# Altium PCB GridSeed.PcbDoc (part 2 of 4)
Units mm, origin at the board's own origin, x right, y up, seen from the top; angles counter-clockwise.
Board outline 91 x 132.25 mm, 4 copper layers (Top Layer, Mid-Top Layer, Mid-Bottom Layer, Bottom Layer); 396 components, 143 nets, 1833 pads, 2320 vias.
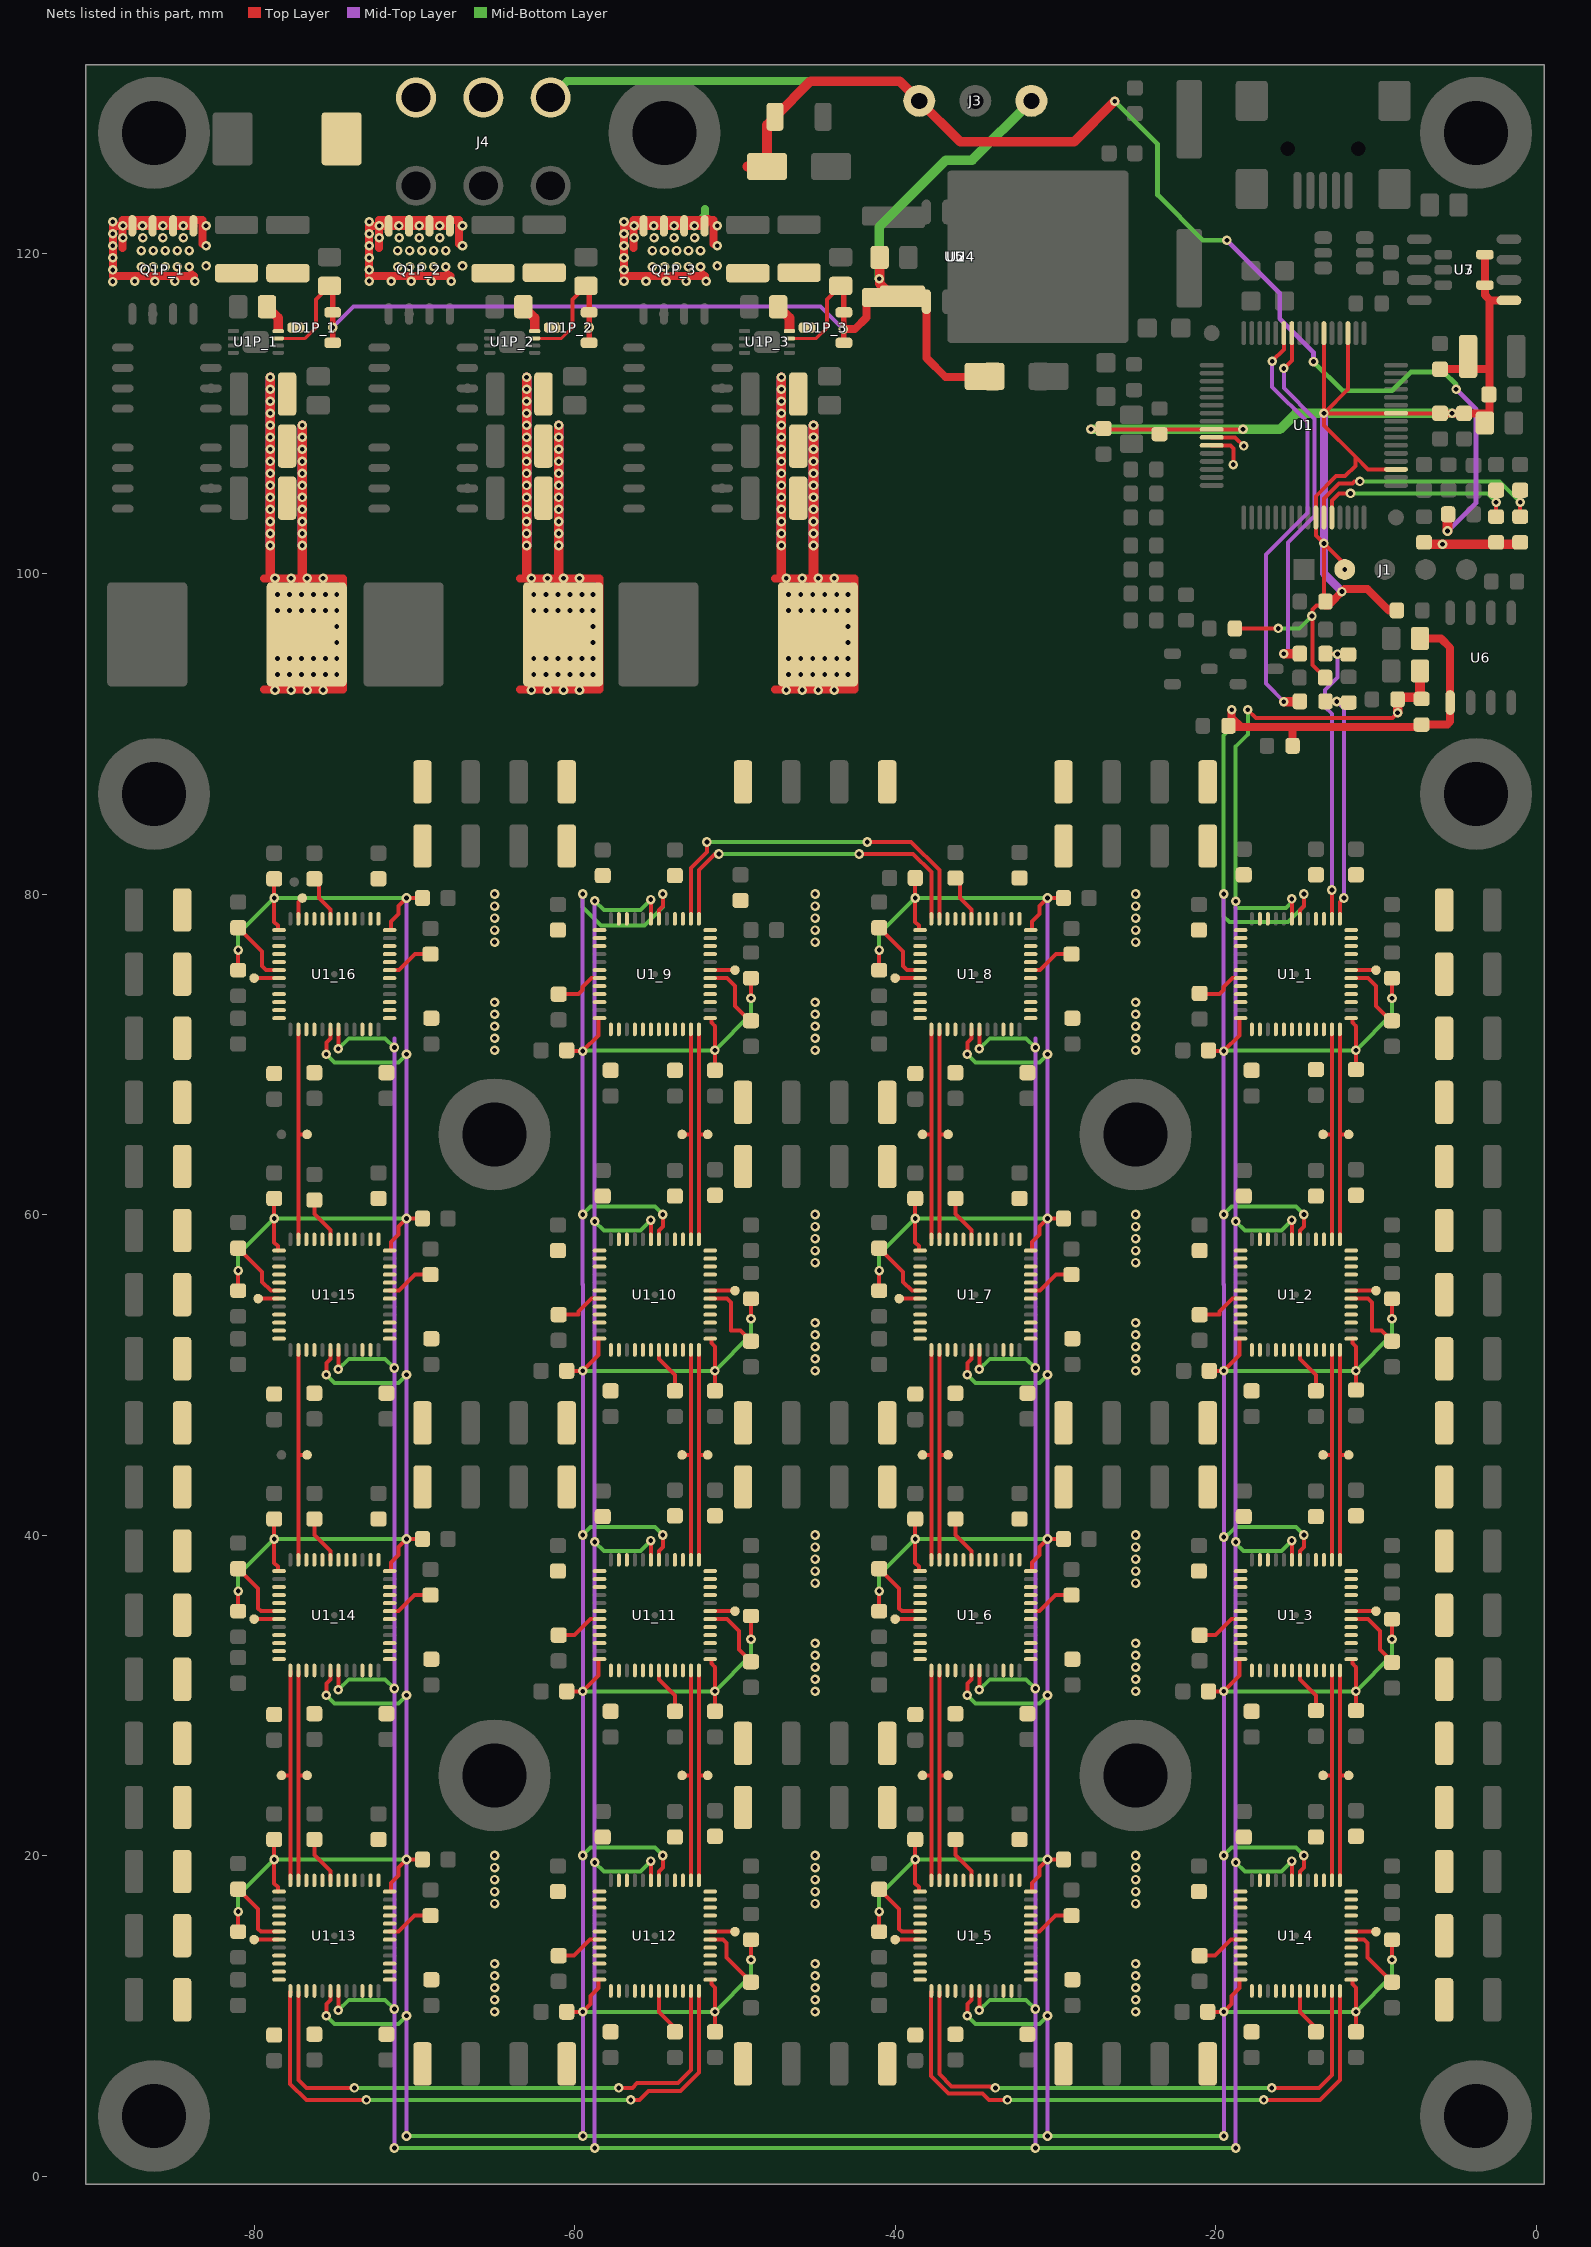
[diagram p4: the nets of this part, all layers, seen from the top]

## Via types
v1: diameter 0.6, hole 0.3, Top Layer to Bottom Layer, tented both sides, 1744 vias
v2: diameter 0.6, hole 0.3, Top Layer to Bottom Layer, 576 vias

## Nets (pads, with @x,y where several pads share a name; then routed paths per layer and width w, separated by ;. In a path a pad name is that pad's centre, name@x,y a point inside that pad or via, vN(x,y) a via of type N, cw(c..) or ccw(c..) an arc to the next point about the centre after c; other vN are vias at no path point)
0.8V: C1_1.1 C1_2.1 C1_3.1 C1_4.1 C1_5.1 C1_6.1 C1_7.1 C1_8.1 C1_9.1 C1_10.1 C1_11.1 C1_12.1 C1_13.1 C1_14.1 C1_15.1 C1_16.1 C2_1.1 C2_2.1 C2_3.1 C2_4.1 C2_5.1 C2_6.1 C2_7.1 C2_8.1 C2_9.1 C2_10.1 C2_11.1 C2_12.1 C2_13.1 C2_14.1 C2_15.1 C2_16.1 C3_1.1 C3_2.1 C3_3.1 C3_4.1 C3_5.1 C3_6.1 C3_7.1 C3_8.1 C3_9.1 C3_10.1 C3_11.1 C3_12.1 C3_13.1 C3_14.1 C3_15.1 C3_16.1 C4_1.1 C4_2.1 C4_3.1 C4_4.1 C4_5.1 C4_6.1 C4_7.1 C4_8.1 C4_9.1 C4_10.1 C4_11.1 C4_12.1 C4_13.1 C4_14.1 C4_15.1 C4_16.1 C6_1.1 C6_2.1 C6_3.1 C6_4.1 C6_5.1 C6_6.1 C6_7.1 C6_8.1 C6_9.1 C6_10.1 C6_11.1 C6_12.1 C6_13.1 C6_14.1 C6_15.1 C6_16.1 C6P_1.1 C6P_2.1 C6P_3.1 C7_1.1 C7_2.1 C7_3.1 C7_4.1 C7_5.1 C7_6.1 C7_7.1 C7_8.1 C7_9.1 C7_10.1 C7_11.1 C7_12.1 C7_13.1 C7_14.1 C7_15.1 C7_16.1 C7P_1.1 C7P_2.1 C7P_3.1 C8P_1.1 C8P_2.1 C8P_3.1 C9_1.1 C9_2.1 C9_3.1 C9_4.1 C9_5.1 C9_6.1 C9_7.1 C9_8.1 C9_9.1 C9_10.1 C9_11.1 C9_12.1 C9_13.1 C9_14.1 C9_15.1 C9_16.1 C11_1.1 C11_2.1 C11_3.1 C11_4.1 C11_5.1 C11_6.1 C11_7.1 C11_8.1 C11_9.1 C11_10.1 C11_11.1 C11_12.1 C11_13.1 C11_14.1 C11_15.1 C11_16.1 C_220_1.1 C_220_2.1 C_220_3.1 C_220_4.1 C_220_5.1 C_220_6.1 C_220_7.1 C_220_8.1 C_220_9.1 C_220_10.1 C_220_11.1 C_220_12.1 C_220_13.1 C_220_14.1 C_220_15.1 C_220_16.1 C_220_17.1 C_220_18.1 C_220_19.1 C_220_20.1 C_220_21.1 C_220_22.1 C_220_23.1 C_220_24.1 C_220_25.1 C_220_26.1 C_220_27.1 C_220_28.1 C_220_29.1 C_220_30.1 C_220_31.1 C_220_32.1 C_220_33.1 C_220_34.1 C_220_35.1 C_220_36.1 C_220_37.1 C_220_38.1 C_220_39.1 C_220_40.1 C_220_41.1 C_220_42.1 C_220_43.1 C_220_44.1 C_220_45.1 C_220_46.1 C_220_47.1 C_220_48.1 C_220_49.1 C_220_50.1 C_220_51.1 C_220_52.1 C_220_53.1 C_220_54.1 C_220_55.1 C_220_56.1 C_220_57.1 C_220_58.1 C_220_59.1 C_220_60.1 C_220_61.1 C_220_62.1 C_220_63.1 C_220_64.1 C_220_65.1 C_220_66.1 C_220_67.1 C_220_68.1 C_220_69.1 C_220_70.1 C_220_71.1 C_220_73.1 L1P_1.2 L1P_2.2 L1P_3.2 pad.0@-46.05,104.7 pad.0@-46.05,107.95 pad.0@-46.05,111.2 pad.0@-61.95,104.7 pad.0@-61.95,107.95 pad.0@-61.95,111.2 pad.0@-77.95,104.7 pad.0@-77.95,107.95 pad.0@-77.95,111.2 R18.2 R20.2 R21.2 U1_1.3 U1_1.4 U1_1.10 U1_1.11 U1_1.13 U1_1.14 U1_1.15 U1_1.18 U1_1.19 U1_1.20 U1_1.21 U1_1.22 U1_1.25 U1_1.26 U1_1.28 U1_1.29 U1_1.30 U1_1.31 U1_1.32 U1_1.33 U1_1.34 U1_1.39 U1_1.40 U1_1.41 U1_1.42 U1_1.45 U1_1.46 U1_1.47 U1_1.48 U1_2.3 U1_2.4 U1_2.10 U1_2.11 U1_2.13 U1_2.14 U1_2.15 U1_2.18 U1_2.19 U1_2.20 U1_2.21 U1_2.22 U1_2.25 U1_2.26 U1_2.28 U1_2.29 U1_2.30 U1_2.31 U1_2.32 U1_2.33 U1_2.34 U1_2.39 U1_2.40 U1_2.41 U1_2.42 U1_2.45 U1_2.46 U1_2.47 U1_2.48 U1_3.3 U1_3.4 U1_3.10 U1_3.11 U1_3.13 U1_3.14 U1_3.15 U1_3.18 U1_3.19 U1_3.20 U1_3.21 U1_3.22 U1_3.25 U1_3.26 U1_3.28 U1_3.29 U1_3.30 U1_3.31 U1_3.32 U1_3.33 U1_3.34 U1_3.39 U1_3.40 U1_3.41 U1_3.42 U1_3.45 U1_3.46 U1_3.47 U1_3.48 U1_4.3 U1_4.4 U1_4.10 U1_4.11 U1_4.13 U1_4.14 U1_4.15 U1_4.18 U1_4.19 U1_4.20 U1_4.21 U1_4.22 U1_4.25 U1_4.26 U1_4.28 U1_4.29 U1_4.30 U1_4.31 U1_4.32 U1_4.33 U1_4.34 U1_4.39 U1_4.40 U1_4.41 U1_4.42 U1_4.45 U1_4.46 U1_4.47 U1_4.48 U1_5.3 U1_5.4 U1_5.10 U1_5.11 U1_5.13 U1_5.14 U1_5.15 U1_5.18 U1_5.19 U1_5.20 U1_5.21 U1_5.22 U1_5.25 U1_5.26 U1_5.28 U1_5.29 U1_5.30 U1_5.31 U1_5.32 U1_5.33 U1_5.34 U1_5.39 U1_5.40 U1_5.41 U1_5.42 U1_5.45 U1_5.46 U1_5.47 U1_5.48 U1_6.3 U1_6.4 U1_6.10 U1_6.11 U1_6.13 U1_6.14 U1_6.15 U1_6.18 U1_6.19 U1_6.20 U1_6.21 U1_6.22 U1_6.25 U1_6.26 U1_6.28 U1_6.29 U1_6.30 U1_6.31 U1_6.32 U1_6.33 U1_6.34 U1_6.39 U1_6.40 U1_6.41 U1_6.42 U1_6.45 U1_6.46 U1_6.47 U1_6.48 U1_7.3 U1_7.4 U1_7.10 U1_7.11 U1_7.13 U1_7.14 U1_7.15 U1_7.18 U1_7.19 U1_7.20 U1_7.21 U1_7.22 U1_7.25 U1_7.26 U1_7.28 U1_7.29 U1_7.30 U1_7.31 U1_7.32 U1_7.33 U1_7.34 U1_7.39 U1_7.40 U1_7.41 U1_7.42 U1_7.45 U1_7.46 U1_7.47 U1_7.48 U1_8.3 U1_8.4 U1_8.10 U1_8.11 U1_8.13 U1_8.14 U1_8.15 U1_8.18 U1_8.19 U1_8.20 U1_8.21 U1_8.22 U1_8.25 U1_8.26 U1_8.28 U1_8.29 U1_8.30 U1_8.31 U1_8.32 U1_8.33 U1_8.34 U1_8.39 U1_8.40 U1_8.41 U1_8.42 U1_8.45 U1_8.46 U1_8.47 U1_8.48 U1_9.3 U1_9.4 U1_9.10 U1_9.11 U1_9.13 U1_9.14 U1_9.15 U1_9.18 U1_9.19 U1_9.20 U1_9.21 U1_9.22 U1_9.25 U1_9.26 U1_9.28 U1_9.29 U1_9.30 U1_9.31 U1_9.32 U1_9.33 U1_9.34 U1_9.39 U1_9.40 U1_9.41 U1_9.42 U1_9.45 U1_9.46 U1_9.47 U1_9.48 U1_10.3 U1_10.4 U1_10.10 U1_10.11 U1_10.13 U1_10.14 U1_10.15 U1_10.18 U1_10.19 U1_10.20 U1_10.21 U1_10.22 U1_10.25 U1_10.26 U1_10.28 U1_10.29 U1_10.30 U1_10.31 U1_10.32 U1_10.33 U1_10.34 U1_10.39 U1_10.40 U1_10.41 U1_10.42 U1_10.45 U1_10.46 U1_10.47 U1_10.48 U1_11.3 U1_11.4 U1_11.10 U1_11.11 U1_11.13 U1_11.14 U1_11.15 U1_11.18 U1_11.19 U1_11.20 U1_11.21 U1_11.22 U1_11.25 U1_11.26 U1_11.28 U1_11.29 U1_11.30 U1_11.31 U1_11.32 U1_11.33 U1_11.34 U1_11.39 U1_11.40 U1_11.41 U1_11.42 U1_11.45 U1_11.46 U1_11.47 U1_11.48 U1_12.3 U1_12.4 U1_12.10 U1_12.11 U1_12.13 U1_12.14 U1_12.15 U1_12.18 U1_12.19 U1_12.20 U1_12.21 U1_12.22 U1_12.25 U1_12.26 U1_12.28 U1_12.29 U1_12.30 U1_12.31 U1_12.32 U1_12.33 U1_12.34 U1_12.39 U1_12.40 U1_12.41 U1_12.42 U1_12.45 U1_12.46 U1_12.47 U1_12.48 U1_13.3 U1_13.4 U1_13.10 U1_13.11 U1_13.13 U1_13.14 U1_13.15 U1_13.18 U1_13.19 U1_13.20 U1_13.21 U1_13.22 U1_13.25 U1_13.26 U1_13.28 U1_13.29 U1_13.30 U1_13.31 U1_13.32 U1_13.33 U1_13.34 U1_13.39 U1_13.40 U1_13.41 U1_13.42 U1_13.45 U1_13.46 U1_13.47 U1_13.48 U1_14.3 U1_14.4 U1_14.10 U1_14.11 U1_14.13 U1_14.14 U1_14.15 U1_14.18 U1_14.19 U1_14.20 U1_14.21 U1_14.22 U1_14.25 U1_14.26 U1_14.28 U1_14.29 U1_14.30 U1_14.31 U1_14.32 U1_14.33 U1_14.34 U1_14.39 U1_14.40 U1_14.41 U1_14.42 U1_14.45 U1_14.46 U1_14.47 U1_14.48 U1_15.3 U1_15.4 U1_15.10 U1_15.11 U1_15.13 U1_15.14 U1_15.15 U1_15.18 U1_15.19 U1_15.20 U1_15.21 U1_15.22 U1_15.25 U1_15.26 U1_15.28 U1_15.29 U1_15.30 U1_15.31 U1_15.32 U1_15.33 U1_15.34 U1_15.39 U1_15.40 U1_15.41 U1_15.42 U1_15.45 U1_15.46 U1_15.47 U1_15.48 U1_16.3 U1_16.4 U1_16.10 U1_16.11 U1_16.13 U1_16.14 U1_16.15 U1_16.18 U1_16.19 U1_16.20 U1_16.21 U1_16.22 U1_16.25 U1_16.26 U1_16.28 U1_16.29 U1_16.30 U1_16.31 U1_16.32 U1_16.33 U1_16.34 U1_16.39 U1_16.40 U1_16.41 U1_16.42 U1_16.45 U1_16.46 U1_16.47 U1_16.48 | length 423.6
  Top Layer w0.25: C9_13.1@-81,17.9 -79.75,16.65 -79.75,15.414 -79.586,15.25 U1_13.42@-78.45,15.25 ; C9_14.1@-81,37.9 -79.75,36.65 -79.75,35.428 -79.572,35.25 U1_14.42@-78.45,35.25 ; C9_15.1@-81,57.9 -79.5,56.4 -79.5,55.8 -78.95,55.25 U1_15.42@-78.45,55.25 ; C11_16.1@-81,77.9 -79.5,76.4 -79.5,75.5 -79.25,75.25 U1_16.42@-78.45,75.25 ; C7_13.1@-76.25,21 -76.25,20.036 -75.25,19.036 U1_13.31@-75.25,18.45 ; C7_14.1@-76.25,41 -76.25,40 -75.25,39 U1_14.31@-75.25,38.45 ; C7_15.1@-76.25,61 -76.25,60.045 -75.25,59.045 U1_15.31@-75.25,58.45 ; C7_16.1@-76.25,81 -75.962,80.712 -75.962,79.758 -75.25,79.045 U1_16.31@-75.25,78.45 ; U1_13.19@-71.55,15.25 -70.984,15.25 -69.984,16.25 C4_13.1@-69,16.25 ; U1_14.19@-71.55,35.25 -71,35.25 -70,36.25 C4_14.1@-69,36.25 ; U1_15.19@-71.55,55.25 -70.955,55.25 -69.955,56.25 C4_15.1@-69,56.25 ; U1_16.19@-71.55,75.25 -70.976,75.25 -69.976,76.25 C4_16.1@-69,76.25 ; C4_12.1@-61,13.75 -60.045,13.75 -59.045,14.75 U1_12.19@-58.45,14.75 ; C4_11.1@-61,33.75 -60,33.75 -59,34.75 U1_11.19@-58.45,34.75 ; C4_10.1@-61,53.75 -59.75,53.75 -59.75,53.96 -58.96,54.75 U1_10.19@-58.45,54.75 ; C4_9.1@-61,73.75 -59.75,73.75 -59.5,74 -59.5,74.21 -58.96,74.75 U1_9.19@-58.45,74.75 ; U1_12.31@-54.75,11.55 -54.75,10.25 -53.75,9.25 C7_12.1@-53.75,9 ; U1_11.31@-54.75,31.55 -54.75,31 -53.75,30 C7_11.1@-53.75,29 ; U1_10.31@-54.75,51.55 -54.75,51 -53.75,50 C7_10.1@-53.75,49 ; U1_12.42@-51.55,14.75 -50.75,14.75 -50.53,14.53 -50.53,13.63 C9_12.1@-49,12.1 ; U1_11.42@-51.55,34.75 -50.5,34.75 -49.75,34 -49.75,32.85 C9_11.1@-49,32.1 ; U1_10.42@-51.55,54.75 -50.5,54.75 -50.25,54.5 -50.25,52.75 -49.65,52.75 C9_10.1@-49,52.1 ; U1_9.42@-51.55,74.75 -50.5,74.75 -50,74.25 -50,73 -49.1,72.1 C9_9.1@-49,72.1 ; C9_5.1@-41,17.9 -39.75,16.65 -39.75,15.414 -39.586,15.25 U1_5.42@-38.45,15.25 ; C9_6.1@-41,37.9 -39.75,36.65 -39.75,35.428 -39.572,35.25 U1_6.42@-38.45,35.25 ; C9_7.1@-41,57.9 -39.5,56.4 -39.5,55.8 -38.95,55.25 U1_7.42@-38.45,55.25 ; C9_8.1@-41,77.9 -39.5,76.4 -39.5,75.5 -39.25,75.25 U1_8.42@-38.45,75.25 ; C7_5.1@-36.25,21 -36.25,20.036 -35.25,19.036 U1_5.31@-35.25,18.45 ; C7_6.1@-36.25,41 -36.25,40 -35.25,39 U1_6.31@-35.25,38.45 ; C7_7.1@-36.25,61 -36.25,60.045 -35.25,59.045 U1_7.31@-35.25,58.45 ; C7_8.1@-36.25,81 -35.963,80.712 -35.963,79.758 -35.25,79.045 U1_8.31@-35.25,78.45 ; U1_5.19@-31.55,15.25 -30.984,15.25 -29.984,16.25 C4_5.1@-29,16.25 ; U1_6.19@-31.55,35.25 -31,35.25 -30,36.25 C4_6.1@-29,36.25 ; U1_7.19@-31.55,55.25 -30.955,55.25 -29.955,56.25 C4_7.1@-29,56.25 ; U1_8.19@-31.55,75.25 -30.976,75.25 -29.976,76.25 C4_8.1@-29,76.25 ; C4_4.1@-21,13.75 -20.045,13.75 -19.045,14.75 U1_4.19@-18.45,14.75 ; C4_3.1@-21,33.75 -20,33.75 -19,34.75 U1_3.19@-18.45,34.75 ; C4_2.1@-21,53.75 -19.75,53.75 -19.75,53.96 -18.96,54.75 U1_2.19@-18.45,54.75 ; C4_1.1@-21,73.75 -19.75,73.75 -19.5,74 -19.5,74.21 -18.96,74.75 U1_1.19@-18.45,74.75 ; U1_4.31@-14.75,11.55 -14.75,10.25 -13.75,9.25 C7_4.1@-13.75,9 ; U1_3.31@-14.75,31.55 -14.75,31 -13.75,30 C7_3.1@-13.75,29 ; U1_2.31@-14.75,51.55 -14.75,51 -13.75,50 C7_2.1@-13.75,49 ; U1_4.42@-11.55,14.75 -10.75,14.75 -10.53,14.53 -10.53,13.63 C9_4.1@-9,12.1 ; U1_3.42@-11.55,34.75 -10.5,34.75 -9.75,34 -9.75,32.85 C9_3.1@-9,32.1 ; U1_2.42@-11.55,54.75 -10.5,54.75 -10.25,54.5 -10.25,52.75 -9.65,52.75 C9_2.1@-9,52.1 ; U1_1.42@-11.55,74.75 -10.5,74.75 -10,74.25 -10,73 -9.1,72.1 C9_1.1@-9,72.1
  Top Layer w0.5: -79.4,92.75 -74.45,92.75 -74.45,99.7 v1@-76.725,99.7 ; -79.4,99.675 -76.75,99.675 v1@-76.725,99.7 ; v1(-78.55,93.7) L1P_1.2@-75.415,93.7 ; v1(-78.55,94.7) L1P_1.2@-75.415,94.7 ; v1(-78.55,97.7) L1P_1.2@-75.415,97.7 ; v1(-78.55,98.7) L1P_1.2@-75.415,98.7 ; L1P_1.2@-78.5,94.425 L1P_1.2@-76.725,96.2 ; L1P_1.2@-78.25,97.725 L1P_1.2@-76.725,96.2 ; L1P_1.2@-75.115,97.81 L1P_1.2@-76.725,96.2 ; v1(-74.85,93.7) v1(-74.85,94.7) v1(-74.85,95.7) v1(-74.85,96.7) v1(-74.85,97.7) ; -63.4,92.75 -58.45,92.75 -58.45,99.7 v1@-60.725,99.7 ; -63.4,99.675 -60.75,99.675 v1@-60.725,99.7 ; v1(-62.55,93.7) L1P_2.2@-59.415,93.7 ; v1(-62.55,94.7) L1P_2.2@-59.415,94.7 ; v1(-62.55,97.7) L1P_2.2@-59.415,97.7 ; v1(-62.55,98.7) L1P_2.2@-59.415,98.7 ; L1P_2.2@-62.5,94.425 L1P_2.2@-60.725,96.2 ; L1P_2.2@-62.25,97.725 L1P_2.2@-60.725,96.2 ; L1P_2.2@-59.115,97.81 L1P_2.2@-60.725,96.2 ; v1(-58.85,93.7) v1(-58.85,94.7) v1(-58.85,95.7) v1(-58.85,96.7) v1(-58.85,97.7) ; -47.5,92.75 -42.55,92.75 -42.55,99.7 v1@-44.825,99.7 ; -47.5,99.675 -44.85,99.675 v1@-44.825,99.7 ; v1(-46.65,93.7) L1P_3.2@-43.515,93.7 ; v1(-46.65,94.7) L1P_3.2@-43.515,94.7 ; v1(-46.65,97.7) L1P_3.2@-43.515,97.7 ; v1(-46.65,98.7) L1P_3.2@-43.515,98.7 ; L1P_3.2@-46.6,94.425 L1P_3.2@-44.825,96.2 ; L1P_3.2@-46.35,97.725 L1P_3.2@-44.825,96.2 ; L1P_3.2@-43.215,97.81 L1P_3.2@-44.825,96.2 ; v1(-42.95,93.7) v1(-42.95,94.7) v1(-42.95,95.7) v1(-42.95,96.7) v1(-42.95,97.7) ; L1P_1.2@-76.725,96.2 v1@-76.725,99.7 ; L1P_2.2@-60.725,96.2 v1@-60.725,99.7 ; L1P_3.2@-44.825,96.2 v1@-44.825,99.7
  Top Layer w0.6: -79,99.975 v1(-79,101.75) v1(-79,102.5) v1(-79,103.25) v1(-79,104) v1(-79,104.75) v1(-79,105.5) v1(-79,106.25) v1(-79,107) v1(-79,107.75) v1(-79,108.5) v1(-79,109.25) v1(-79,110) v1(-79,110.75) v1(-79,111.5) v1(-79,112.25) ; L1P_1.2@-77,96.975 v1(-77,101.75) v1(-77,102.5) v1(-77,103.25) v1(-77,104) v1(-77,104.75) v1(-77,105.5) v1(-77,106.25) v1(-77,107) v1(-77,107.75) v1(-77,108.5) v1(-77,109.25) ; -63,99.975 v1(-63,101.75) v1(-63,102.5) v1(-63,103.25) v1(-63,104) v1(-63,104.75) v1(-63,105.5) v1(-63,106.25) v1(-63,107) v1(-63,107.75) v1(-63,108.5) v1(-63,109.25) v1(-63,110) v1(-63,110.75) v1(-63,111.5) v1(-63,112.25) ; L1P_2.2@-61,96.975 v1(-61,101.75) v1(-61,102.5) v1(-61,103.25) v1(-61,104) v1(-61,104.75) v1(-61,105.5) v1(-61,106.25) v1(-61,107) v1(-61,107.75) v1(-61,108.5) v1(-61,109.25) ; -47.1,99.975 v1(-47.1,101.75) v1(-47.1,102.5) v1(-47.1,103.25) v1(-47.1,104) v1(-47.1,104.75) v1(-47.1,105.5) v1(-47.1,106.25) v1(-47.1,107) v1(-47.1,107.75) v1(-47.1,108.5) v1(-47.1,109.25) v1(-47.1,110) v1(-47.1,110.75) v1(-47.1,111.5) v1(-47.1,112.25) ; L1P_3.2@-45.1,96.975 v1(-45.1,101.75) v1(-45.1,102.5) v1(-45.1,103.25) v1(-45.1,104) v1(-45.1,104.75) v1(-45.1,105.5) v1(-45.1,106.25) v1(-45.1,107) v1(-45.1,107.75) v1(-45.1,108.5) v1(-45.1,109.25) ; R18.2@-7,101.95 -6.877,101.827 -1.123,101.827 R20.2@-1,101.95
  Mid-Top Layer w0.6: v1(-79,101.75) v1(-79,102.5) v1(-79,103.25) v1(-79,104) v1(-79,104.75) v1(-79,105.5) v1(-79,106.25) v1(-79,107) v1(-79,107.75) v1(-79,108.5) v1(-79,109.25) v1(-79,110) v1(-79,110.75) v1(-79,111.5) v1(-79,112.25) ; v1(-77,101.75) v1(-77,102.5) v1(-77,103.25) v1(-77,104) v1(-77,104.75) v1(-77,105.5) v1(-77,106.25) v1(-77,107) v1(-77,107.75) v1(-77,108.5) v1(-77,109.25) ; v1(-63,101.75) v1(-63,102.5) v1(-63,103.25) v1(-63,104) v1(-63,104.75) v1(-63,105.5) v1(-63,106.25) v1(-63,107) v1(-63,107.75) v1(-63,108.5) v1(-63,109.25) v1(-63,110) v1(-63,110.75) v1(-63,111.5) v1(-63,112.25) ; v1(-61,101.75) v1(-61,102.5) v1(-61,103.25) v1(-61,104) v1(-61,104.75) v1(-61,105.5) v1(-61,106.25) v1(-61,107) v1(-61,107.75) v1(-61,108.5) v1(-61,109.25) ; v1(-47.1,101.75) v1(-47.1,102.5) v1(-47.1,103.25) v1(-47.1,104) v1(-47.1,104.75) v1(-47.1,105.5) v1(-47.1,106.25) v1(-47.1,107) v1(-47.1,107.75) v1(-47.1,108.5) v1(-47.1,109.25) v1(-47.1,110) v1(-47.1,110.75) v1(-47.1,111.5) v1(-47.1,112.25) ; v1(-45.1,101.75) v1(-45.1,102.5) v1(-45.1,103.25) v1(-45.1,104) v1(-45.1,104.75) v1(-45.1,105.5) v1(-45.1,106.25) v1(-45.1,107) v1(-45.1,107.75) v1(-45.1,108.5) v1(-45.1,109.25)
  other v1: -65,10.25 -45,10.25 -25,10.25 -65,11 -45,11 -25,11 -65,11.75 -45,11.75 -25,11.75 -65,12.5 -45,12.5 -25,12.5 -65,13.25 -45,13.25 -25,13.25 -65,17 -45,17 -25,17 -65,17.75 -45,17.75 -25,17.75 -65,18.5 -45,18.5 -25,18.5 -65,19.25 -45,19.25 -25,19.25 -65,20 -45,20 -25,20 -45,30.25 -25,30.25 -45,31 -25,31 -45,31.75 -25,31.75 -45,32.5 -25,32.5 -45,33.25 -25,33.25 -45,37 -25,37 -45,37.75 -25,37.75 -45,38.5 -25,38.5 -45,39.25 -25,39.25 -45,40 -25,40 -45,50.25 -25,50.25 -45,51 -25,51 -45,51.75 -25,51.75 -45,52.5 -25,52.5 -45,53.25 -25,53.25 -45,57 -25,57 -45,57.75 -25,57.75 -45,58.5 -25,58.5 -45,59.25 -25,59.25 -45,60 -25,60 -65,70.25 -45,70.25 -25,70.25 -65,71 -45,71 -25,71 -65,71.75 -45,71.75 -25,71.75 -65,72.5 -45,72.5 -25,72.5 -65,73.25 -45,73.25 -25,73.25 -65,77 -45,77 -25,77 -65,77.75 -45,77.75 -25,77.75 -65,78.5 -45,78.5 -25,78.5 -65,79.25 -45,79.25 -25,79.25 -65,80 -45,80 -25,80 -78.7,92.725 -77.7,92.725 -76.7,92.725 -75.7,92.725 -62.7,92.725 -61.7,92.725 -60.7,92.725 -59.7,92.725 -46.8,92.725 -45.8,92.725 -44.8,92.725 -43.8,92.725 -77.8,93.7 -77.05,93.7 -76.3,93.7 -75.55,93.7 -61.8,93.7 -61.05,93.7 -60.3,93.7 -59.55,93.7 -45.9,93.7 -45.15,93.7 -44.4,93.7 -43.65,93.7 -77.8,94.7 -77.05,94.7 -76.3,94.7 -75.55,94.7 -61.8,94.7 -61.05,94.7 -60.3,94.7 -59.55,94.7 -45.9,94.7 -45.15,94.7 -44.4,94.7 -43.65,94.7 -77.8,97.7 -77.05,97.7 -76.3,97.7 -75.55,97.7 -61.8,97.7 -61.05,97.7 -60.3,97.7 -59.55,97.7 -45.9,97.7 -45.15,97.7 -44.4,97.7 -43.65,97.7 -77.8,98.7 -77.05,98.7 -76.3,98.7 -75.55,98.7 -74.85,98.7 -61.8,98.7 -61.05,98.7 -60.3,98.7 -59.55,98.7 -58.85,98.7 -45.9,98.7 -45.15,98.7 -44.4,98.7 -43.65,98.7 -42.95,98.7 -78.7,99.7 -77.7,99.7 -76.7,99.7 -75.7,99.7 -62.7,99.7 -61.7,99.7 -60.7,99.7 -59.7,99.7 -46.8,99.7 -45.8,99.7 -44.8,99.7 -43.8,99.7 -5.85,101.825
0.9V: C26.1 R29.2 R31.2 U1_1.7 U1_2.7 U1_3.7 U1_4.7 U1_5.7 U1_6.7 U1_7.7 U1_8.7 U1_9.7 U1_10.7 U1_11.7 U1_12.7 U1_13.7 U1_14.7 U1_15.7 U1_16.7 | length 466.7
  Top Layer w0.25: v1(-74.75,10.35) U1_13.7@-74.75,11.625 ; v1(-74.75,30.35) -74.75,31.625 v1@-74.75,30.575 ; v1(-74.75,50.35) -74.75,51.625 v1@-74.75,50.575 ; v1(-74.75,70.35) -74.75,71.625 v1@-74.75,70.575 ; v1@-55.25,19.425 -55.25,18.375 v1(-55.25,19.65) ; v1@-55.25,39.425 -55.25,38.375 v1(-55.25,39.65) ; v1@-55.25,59.425 -55.25,58.375 v1(-55.25,59.65) ; U1_9.7@-55.25,78.375 v1(-55.25,79.65) ; v1(-34.75,10.35) U1_5.7@-34.75,11.625 ; v1(-34.75,30.35) -34.75,31.625 v1@-34.75,30.575 ; v1(-34.75,50.35) -34.75,51.625 v1@-34.75,50.575 ; v1(-34.75,70.35) -34.75,71.625 v1@-34.75,70.575 ; v1(-18,91.5) -17.5,91 -8.963,91 v1(-8.65,91.313) ; U1_4.7@-15.25,18.375 v1(-15.25,19.65) ; U1_3.7@-15.25,38.375 v1@-15.25,39.425 ; v1@-15.25,59.425 -15.25,58.375 v1(-15.25,59.65) ; U1_1.7@-15.25,78.45 v1@-15.25,79.5
  Top Layer w0.6: v1(-8.65,91.313) R31.2@-8.65,92.15 -8.525,92.275 -7.25,92.275 C26.1@-7.25,93.925
  Mid-Top Layer w0.25: v1(-71.25,1.75) -71.25,11 -71.25,31 -71.25,51 -71.25,71 ; v1(-58.75,1.75) -58.75,19 -58.75,39 -58.75,59 v1(-58.75,79.575) ; v1(-31.25,1.75) -31.25,11 -31.25,31 -31.25,51 -31.25,71 ; v1(-18.75,1.75) -18.75,59 -18.75,79.15